# Altium PCB LimeSDR_1v2.PcbDoc (part 4 of 9)
Units mm, origin at the board's own origin, x right, y up, seen from the top; angles counter-clockwise.
Board outline 100 x 60 mm, 12 copper layers (Top, L2, L3, L4, L5, L6, L7, L8, L9, L10, L11, Bottom), stack 1.58 mm thick; 795 components, 584 nets, 3859 pads, 2074 vias.
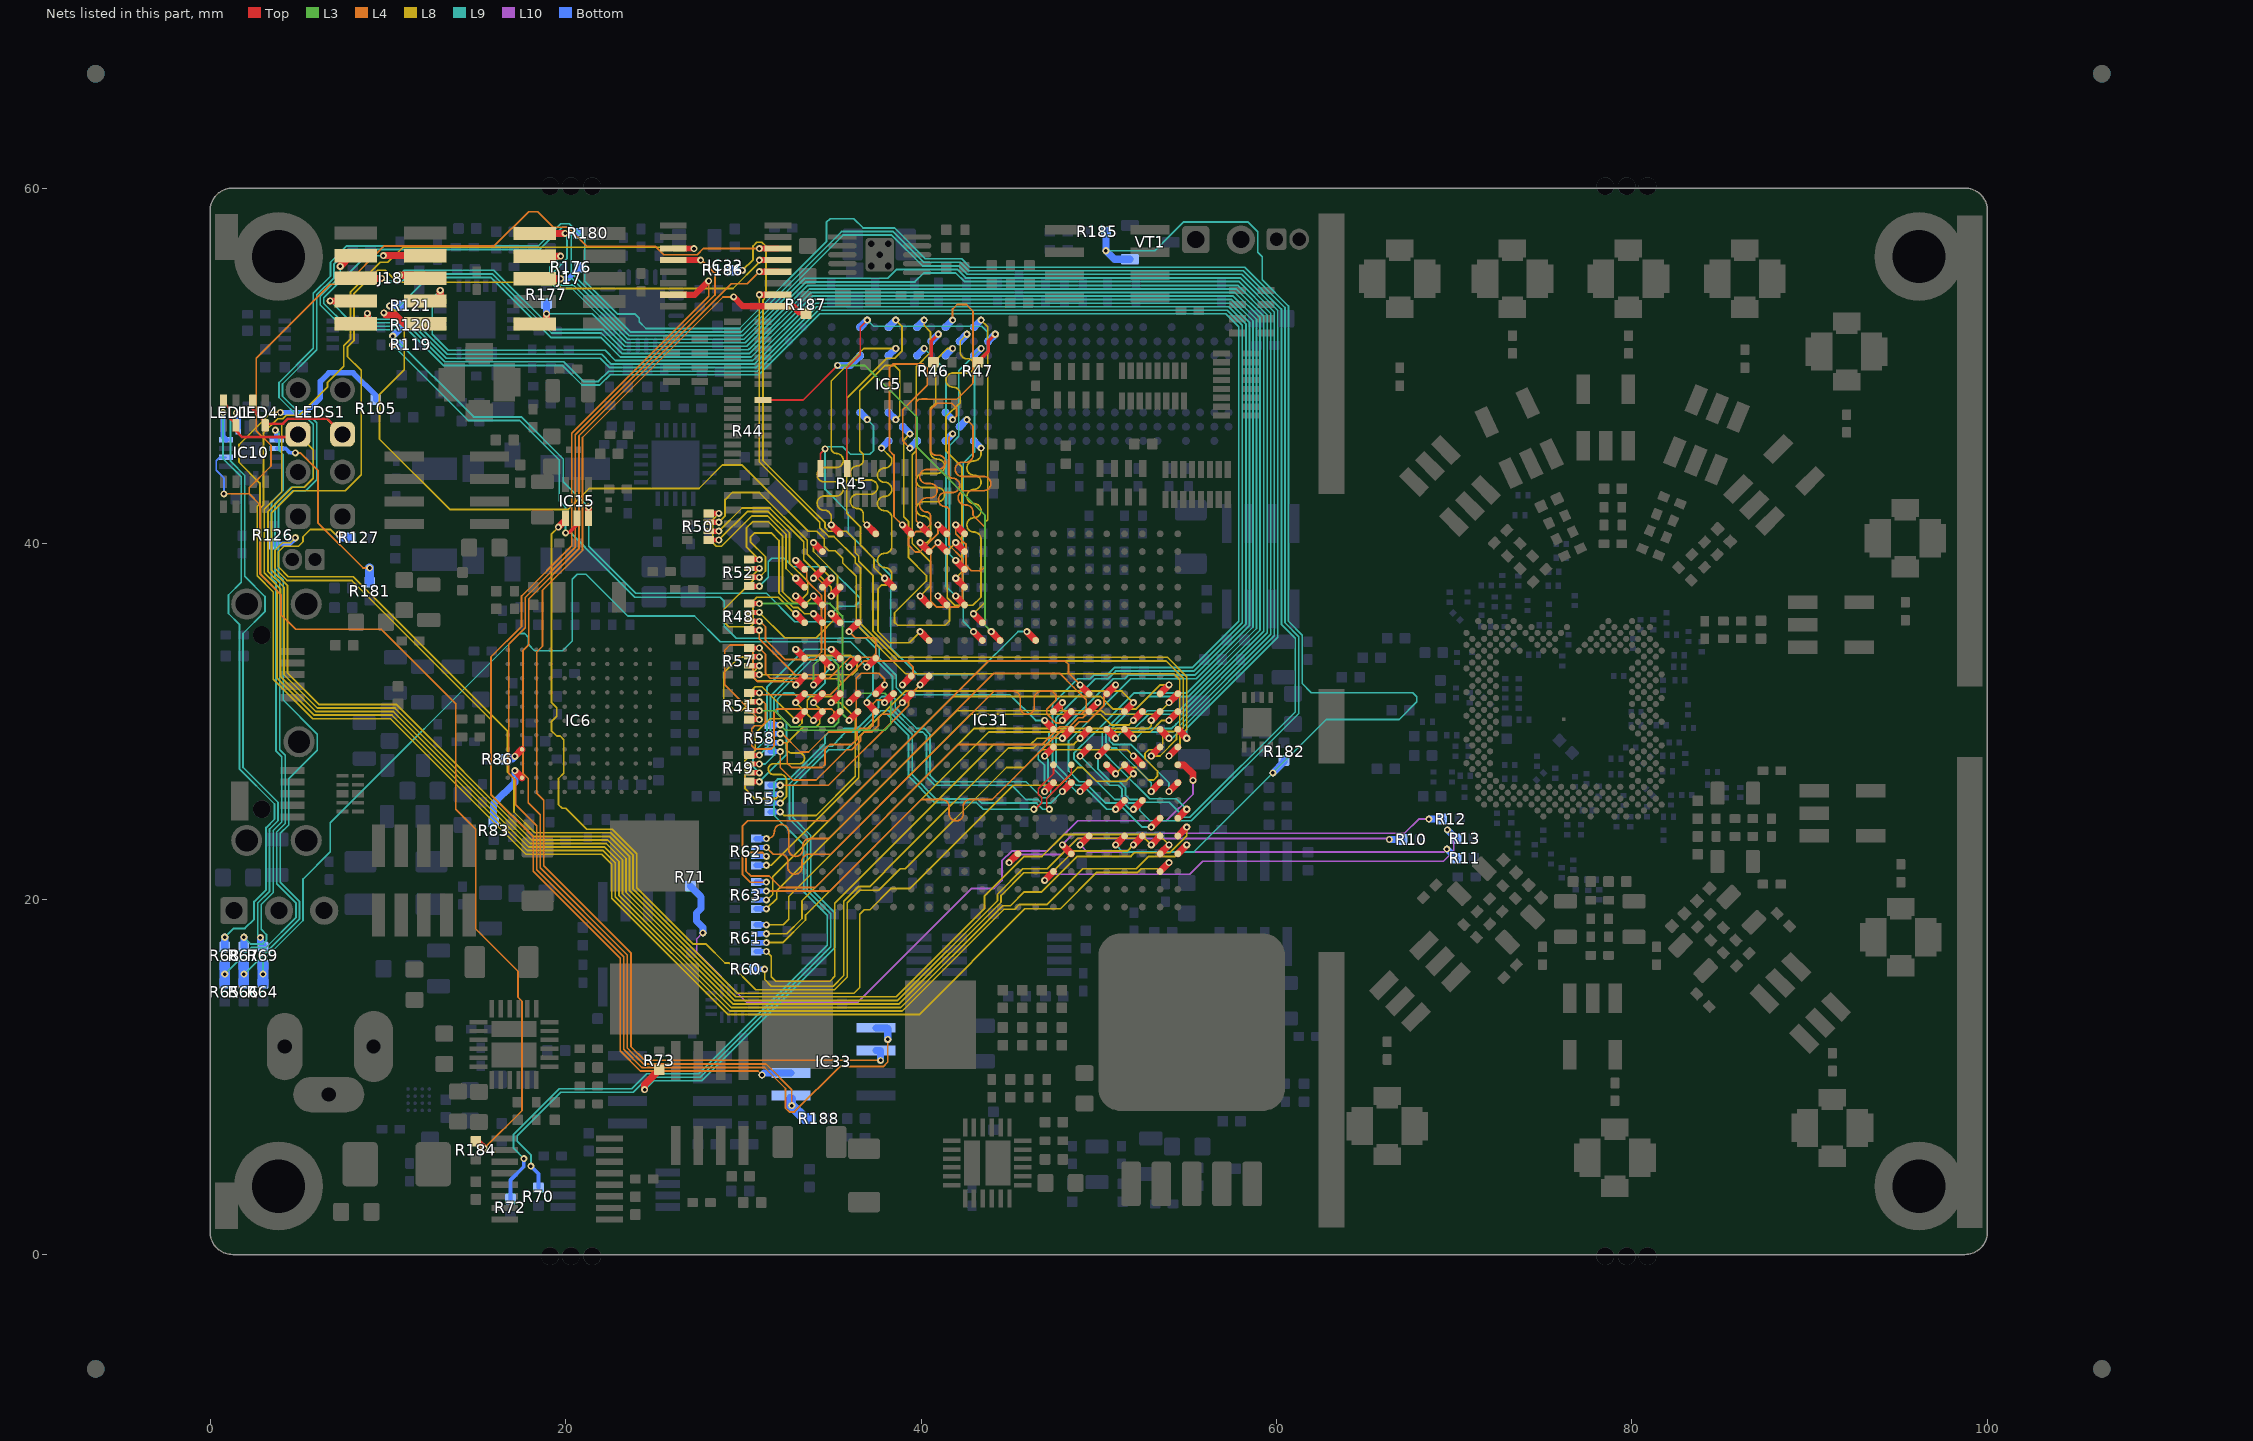
[diagram p14: the nets of this part, all layers, seen from the top]

## Via types
v1: diameter 0.4, hole 0.2, Top to Bottom, tented both sides, 1226 vias
v2: diameter 0.4, hole 0.2, Top to Bottom, tented top, 420 vias
v3: diameter 0.4, hole 0.2, Top to Bottom, 281 vias
v4: diameter 0.35, hole 0.2, Top to Bottom, tented top, 86 vias
v5: diameter 0.35, hole 0.2, Top to Bottom, tented both sides, 41 vias
v6: diameter 0.5, hole 0.2, Top to Bottom, tented both sides, 20 vias

## Nets (pads, with @x,y where several pads share a name; then routed paths per layer and width w, separated by ;. In a path a pad name is that pad's centre, name@x,y a point inside that pad or via, vN(x,y) a via of type N, cw(c..) or ccw(c..) an arc to the next point about the centre after c; other vN are vias at no path point) (continued)
DDR2_2_DQ1: IC5.G2 IC31.V14 | length 18.2
  Top w0.4: v2(40.95,37.05) IC31.V14@41.45,36.55
  L8 w0.1: v1(39.375,46.175) 39.025,45.825 39.025,41.5 39.3,41.225 39.3,39.205 40.3,38.205 40.3,37.895 38.5,36.095 38.5,35.575 38.675,35.4 41.35,35.4 41.6,35.65 41.6,36.4 v2(40.95,37.05)
  Bottom w0.4: IC5.G2@38.975,46.575 v1(39.375,46.175)
DDR2_2_DQ2: IC5.H7 IC31.AB20 | length 18
  Top w0.4: v2(34.95,41.05) IC31.AB20@35.45,40.55
  L8 w0.1: v2(34.95,41.05) 34.95,41.475 ccw(c34.55,41.475) 34.55,41.875 cw(c34.55,42.275) 34.15,42.275 cw(c34.55,42.275) 34.55,42.675 34.95,42.675 35.225,42.675 ccw(c35.225,43.075) 35.625,43.075 ccw(c35.225,43.075) 35.225,43.475 34.95,43.475 34.55,43.475 cw(c34.55,43.875) 34.15,43.875 cw(c34.55,43.875) 34.55,44.275 34.95,44.275 35.225,44.275 ccw(c35.225,44.675) 35.625,44.675 ccw(c35.225,44.675) 35.225,45.075 cw(c35.225,45.35) 34.95,45.35 34.95,45.6 34.95,49.15 36.775,50.975 v1(38.575,50.975)
  Bottom w0.4: IC5.H7@38.175,50.575 v1(38.575,50.975)
DDR2_2_DQ3: IC5.H3 IC31.AB18 | length 18
  Top w0.4: v2(36.95,41.05) IC31.AB18@37.45,40.55
  L8 w0.1: v2(36.95,41.05) 36.75,41.25 36.75,41.575 36.75,41.65 ccw(c36.425,41.65) 36.425,41.975 cw(c36.425,42.375) 36.025,42.375 cw(c36.425,42.375) 36.425,42.775 36.75,42.775 37.15,42.775 ccw(c37.15,43.175) 37.55,43.175 ccw(c37.15,43.175) 37.15,43.575 36.75,43.575 36.425,43.575 cw(c36.425,43.975) 36.025,43.975 cw(c36.425,43.975) 36.425,44.375 ccw(c36.425,44.7) 36.75,44.7 36.75,45.025 36.55,45.225 36.55,48.6 37.975,50.025 38.5,50.025 38.8,49.725 38.8,47.2 v1(38.575,46.975)
  Bottom w0.4: IC5.H3@38.175,47.375 v1(38.575,46.975)
DDR2_2_DQ4: IC5.H1 IC31.T15 | length 17.9
  Top w0.4: v2(39.95,35.05) IC31.T15@40.45,34.55
  L8 w0.1: v1(37.775,45.375) 38.35,44.8 38.35,44.65 cw(c37.95,44.65) 37.95,44.25 ccw(c37.95,43.85) 37.55,43.85 ccw(c37.95,43.85) 37.95,43.45 cw(c37.95,43.05) 38.35,43.05 cw(c37.95,43.05) 37.95,42.65 ccw(c37.95,42.25) 37.55,42.25 ccw(c37.95,42.25) 37.95,41.85 cw(c37.95,41.45) 38.35,41.45 38.35,41.05 38.35,40.25 38.35,39.85 cw(c37.95,39.85) 37.95,39.45 ccw(c37.95,39.05) 37.55,39.05 ccw(c37.95,39.05) 37.95,38.65 cw(c37.95,38.25) 38.35,38.25 38.35,37.955 38.07,37.675 37.8,37.675 37.575,37.45 37.575,35.074 38.224,34.425 39.325,34.425 v2(39.95,35.05)
  Bottom w0.4: v1(37.775,45.375) IC5.H1@38.175,45.775
DDR2_2_DQ5: IC5.H9 IC31.W17 | length 18.4
  Top w0.4: v2(37.95,38.05) IC31.W17@38.45,37.55
  L8 w0.1: v2(37.95,38.05) 37.35,38.65 37.35,39.145 36.6,39.895 36.6,40.925 35.825,41.7 35.825,48.175 38.075,50.425 38.52,50.425 38.925,50.83 38.925,52.225 v1(38.575,52.575)
  Bottom w0.4: IC5.H9@38.175,52.175 v1(38.575,52.575)
DDR2_2_DQ6: IC5.F1 IC31.AB16 | length 18
  Top w0.4: v2(38.95,41.05) IC31.AB16@39.45,40.55
  L4 w0.1: v2(38.95,41.05) 38.475,41.525 38.475,44.98 38.225,45.23 38.225,49.9 38.425,50.1 40.125,50.1 40.35,49.875 40.35,48.9 38.975,47.525 38.975,45.775 v1(39.375,45.375)
  Bottom w0.4: v1(39.375,45.375) IC5.F1@39.775,45.775
DDR2_2_DQ7: IC5.F9 IC31.V15 | length 18
  Top w0.4: v2(39.95,37.05) IC31.V15@40.45,36.55
  L8 w0.1: v2(39.95,37.05) 40.525,37.625 40.525,38.98 39.5,40.005 39.5,45.005 39.725,45.23 39.725,49.95 40.525,50.75 40.525,51.92 40.175,52.27 v1(40.175,52.575)
  Bottom w0.4: IC5.F9@39.775,52.175 v1(40.175,52.575)
DDR2_2_DQ8: IC5.C8 IC31.W13 | length 18.2
  Top w0.4: v2(41.95,38.05) IC31.W13@42.45,37.55
  L8 w0.1: v2(41.95,38.05) 42.3,38.4 42.3,44.325 41.4,45.225 41.4,47.125 42.2,47.925 42.2,48.4 ccw(c41.8,48.4) 41.8,48.8 cw(c41.8,49.2) 41.4,49.2 cw(c41.8,49.2) 41.8,49.6 42.2,49.6 42.6,49.6 ccw(c42.6,50) 43,50 ccw(c42.6,50) 42.6,50.4 cw(c42.6,50.8) 42.2,50.8 42.2,51.2 42.2,51.4 v1(42.575,51.775)
  Bottom w0.4: IC5.C8@42.175,51.375 v1(42.575,51.775)
DDR2_2_DQ9: IC5.C2 IC31.AB13 | length 18.1
  Top w0.4: v2(41.95,41.05) IC31.AB13@42.45,40.55
  L4 w0.1: v2(41.95,41.05) 41.95,40.545 42.525,39.97 42.525,38.775 42.825,38.475 43.375,38.475 43.6,38.7 43.6,40.925 42.925,41.6 42.925,41.775 ccw(c42.525,41.775) 42.525,42.175 42.489,42.175 cw(c42.489,42.575) 42.089,42.575 cw(c42.489,42.575) 42.489,42.975 42.925,42.975 43.525,42.975 ccw(c43.525,43.375) 43.925,43.375 ccw(c43.525,43.375) 43.525,43.775 42.925,43.775 42.325,43.775 cw(c42.325,44.175) 41.925,44.175 cw(c42.325,44.175) 42.325,44.575 42.525,44.575 ccw(c42.525,44.975) 42.925,44.975 42.925,45.375 42.925,46.175 42.925,46.225 42.925,46.625 v1(42.575,46.975)
  Bottom w0.4: IC5.C2@42.175,46.575 v1(42.575,46.975)
DDR2_2_DQ10: IC5.D7 IC31.AA15 | length 18
  Top w0.4: v2(39.95,40.05) IC31.AA15@40.45,39.55
  L8 w0.1: v2(39.95,40.05) 40.325,40.05 40.525,40.25 40.525,41.15 ccw(c40.125,41.15) 40.125,41.55 cw(c40.125,41.95) 39.725,41.95 cw(c40.125,41.95) 40.125,42.35 40.525,42.35 40.925,42.35 ccw(c40.925,42.75) 41.325,42.75 ccw(c40.925,42.75) 40.925,43.15 40.525,43.15 40.125,43.15 cw(c40.125,43.55) 39.725,43.55 cw(c40.125,43.55) 40.125,43.95 40.525,43.95 40.925,43.95 ccw(c40.925,44.35) 41.325,44.35 ccw(c40.925,44.35) 40.925,44.75 cw(c40.925,45.15) 40.525,45.15 40.525,45.325 40.525,47.605 40.825,47.905 40.825,50.325 41.475,50.975 v1(41.775,50.975)
  Bottom w0.4: IC5.D7@41.375,50.575 v1(41.775,50.975)
DDR2_2_DQ11: IC5.D3 IC31.AB14 | length 18.1
  Top w0.4: v2(40.95,41.05) IC31.AB14@41.45,40.55
  L4 w0.1: v2(40.95,41.05) 40.95,40.555 39.92,39.525 39.675,39.525 39.3,39.9 39.3,40.275 39.7,40.675 40.125,40.675 40.525,41.075 40.525,41.375 40.525,41.575 ccw(c40.325,41.575) 40.325,41.775 cw(c40.325,42.175) 39.925,42.175 cw(c40.325,42.175) 40.325,42.575 40.525,42.575 ccw(c40.525,42.948) 40.898,42.948 40.898,43.002 ccw(c40.525,43.002) 40.525,43.375 40.325,43.375 cw(c40.325,43.775) 39.925,43.775 cw(c40.325,43.775) 40.325,44.175 40.525,44.175 40.975,44.175 ccw(c40.975,44.575) 41.375,44.575 ccw(c40.975,44.575) 40.975,44.975 40.85,44.975 cw(c40.85,45.3) 40.525,45.3 40.525,47.525 40.9,47.9 41.725,47.9 42,47.625 42,47.2 v1(41.775,46.975)
  Bottom w0.4: IC5.D3@41.375,47.375 v1(41.775,46.975)
DDR2_2_DQ12: IC5.D1 IC31.AA14 | length 18.2
  Top w0.4: v2(40.95,40.05) IC31.AA14@41.45,39.55
  L4 w0.1: v2(40.95,40.05) 40.55,39.65 40.55,36.75 40.875,36.425 42.1,36.425 42.325,36.65 42.325,39.17 41.575,39.92 41.575,41.675 41.575,41.875 ccw(c41.375,41.875) 41.375,42.075 cw(c41.375,42.475) 40.975,42.475 cw(c41.375,42.475) 41.375,42.875 41.575,42.875 41.775,42.875 ccw(c41.775,43.275) 42.175,43.275 ccw(c41.775,43.275) 41.775,43.675 cw(c41.775,43.875) 41.575,43.875 41.575,44.4 41.575,45.975 v1(41.775,46.175)
  Bottom w0.4: IC5.D1@41.375,45.775 v1(41.775,46.175)
DDR2_2_DQ13: IC5.D9 IC31.AB15 | length 18
  Top w0.4: v2(39.95,41.05) IC31.AB15@40.45,40.55
  L4 w0.1: v2(39.95,41.05) 39.725,41.275 39.725,47.975 39.875,48.125 40.055,48.125 40.057,48.127 40.347,48.127 40.349,48.125 42.025,48.125 42.925,49.025 42.925,53.075 42.55,53.45 42.025,53.45 41.775,53.2 v1(41.775,52.575)
  Bottom w0.4: IC5.D9@41.375,52.175 v1(41.775,52.575)
DDR2_2_DQ14: IC5.B1 IC31.AA13 | length 18
  Top w0.4: v2(41.95,40.05) IC31.AA13@42.45,39.55
  L8 w0.1: v2(41.95,40.05) 41.475,39.575 41.475,36.95 41.9,36.525 42.92,36.525 43.375,36.98 43.375,40.25 ccw(c42.975,40.25) 42.975,40.65 cw(c42.975,41.05) 42.575,41.05 cw(c42.975,41.05) 42.975,41.45 ccw(c42.975,41.85) 43.375,41.85 ccw(c42.975,41.85) 42.975,42.25 cw(c42.975,42.65) 42.575,42.65 cw(c42.975,42.65) 42.975,43.05 ccw(c42.975,43.45) 43.375,43.45 ccw(c42.975,43.45) 42.975,43.85 cw(c42.975,44.25) 42.575,44.25 cw(c42.975,44.25) 42.975,44.65 ccw(c42.975,45.05) 43.375,45.05 43.375,45.25 v1(43.375,45.375)
  Bottom w0.4: IC5.B1@42.975,45.775 v1(43.375,45.375)
DDR2_2_DQ15: IC5.B9 IC31.U12 | length 18.3
  Top w0.4: v2(42.95,36.05) IC31.U12@43.45,35.55
  L8 w0.1: v2(42.95,36.05) 43.6,36.7 43.6,41.195 43.75,41.345 43.75,52.2 v1(43.375,52.575)
  Bottom w0.4: IC5.B9@42.975,52.175 v1(43.375,52.575)
DDR2_2_DQS0: IC5.F7 IC31.V13 | length 15.9
  Top w0.4: v2(41.95,37.05) IC31.V13@42.45,36.55
  L9 w0.1: v1(40.175,50.975) 41.4,49.75 41.4,37.6 v2(41.95,37.05)
  Bottom w0.4: IC5.F7@39.775,50.575 v1(40.175,50.975)
DDR2_2_DQS0N: IC5.E8 R46.2 | length 2.4
  Top w0.2: R46.2@40.7,50.2 40.575,50.325 40.575,51.375 v1(40.975,51.775)
  Bottom w0.4: IC5.E8@40.575,51.375 v1(40.975,51.775)
DDR2_2_DQS1: IC5.B7 IC31.Y13 | length 14.1
  Top w0.4: v2(41.95,39.05) IC31.Y13@42.45,38.55
  L9 w0.1: v2(41.95,39.05) 41.6,39.4 41.6,45.505 42.125,46.03 42.125,49.725 v1(43.375,50.975)
  Bottom w0.4: IC5.B7@42.975,50.575 v1(43.375,50.975)
DDR2_2_DQS1N: IC5.A8 R47.2 | length 2.6
  Top w0.2: R47.2@43.166,50.2 43.775,50.809 43.775,51.375 v1(44.175,51.775)
  Bottom w0.4: IC5.A8@43.775,51.375 v1(44.175,51.775)
DDR2_2_ODT: IC5.K9 IC31.T12 R45.5 | length 34.8
  Top w0.1: R45.5@35.85,44.225 35.825,44.25 35.825,49.875 36.575,50.625 36.575,52.175 v1(36.975,52.575)
  Top w0.4: v2(42.95,35.05) IC31.T12@43.45,34.55
  L9 w0.1: v1(36.975,52.575) 37.325,52.225 43.42,52.225 43.725,51.92 43.725,50.83 43,50.105 43,45.15 42.375,44.525 42.375,35.625 v2(42.95,35.05)
  Bottom w0.4: IC5.K9@36.575,52.175 v1(36.975,52.575)
DDR2_2_RASN: IC5.K7 IC31.T11 R44.8 | length 26.7
  Top w0.1: R44.8@31.1,48.075 33.359,48.075 v1(35.309,50.025)
  Top w0.4: v2(43.95,35.05) IC31.T11@44.45,34.55
  L3 w0.1: v1(35.309,50.025) 36.842,50.025 39.775,47.092 39.775,45.417 43.6,41.592 43.6,35.4 v2(43.95,35.05)
  Bottom w0.4: v1(35.309,50.025) 36.025,50.025 IC5.K7@36.575,50.575
DDR2_2_WEN: IC5.K3 IC31.T9 R45.8 | length 29.4
  Top w0.1: R45.8@34.35,44.225 34.35,45.075 v1(34.6,45.325)
  Top w0.4: v2(45.95,35.05) IC31.T9@46.45,34.55
  L9 w0.1: v1(36.975,46.975) 37.325,46.625 37.325,45.23 37.12,45.025 36.03,45.025 35.605,45.45 34.725,45.45 v1(34.6,45.325) 34.6,43.05 35.9,41.75 35.9,40.6 37.763,38.737 37.763,38.732 38.3,38.195 38.3,34.133 39.808,32.625 43.03,32.625 45.455,35.05 v2(45.95,35.05)
  Bottom w0.4: IC5.K3@36.575,47.375 v1(36.975,46.975)
EXP_AS_SS: IC10.2 IC32.14 R184.2 | length 94
  Top w0.35: v1(30.9,56.6) IC32.14@31.95,56.6
  Top w0.4: R184.2@14.95,6.375 15.025,6.375 v1(15.425,5.975)
  L4 w0.1: v1(0.775,42.8) 2.2,42.8 ; v1(15.425,5.975) 17.55,8.1 17.55,11.309 17.55,14.255 17.325,14.48 17.325,15.942 14.95,18.317 14.95,23.928 13.825,25.053 13.825,30.983 9.633,35.175 4.817,35.175 3.982,36.01 3.982,37.115 2.8,38.297 2.8,42.2 2.2,42.8 ; v1(30.9,56.6) 27.75,56.6 27.4,56.25 25.525,56.25 25.05,56.725 21.195,56.725 20.12,57.8 19.308,57.8 18.433,58.675 17.922,58.675 15.997,56.75 9.805,56.75 7.646,54.591 6.766,54.591 2.6,50.425 2.6,46.359 3.425,45.534 3.425,44.367 2.2,43.142 2.2,42.8
  Bottom w0.1: v1(0.775,42.8) 0.775,43.7 0.35,44.125 0.35,44.65 0.55,44.85 IC10.2@0.9,44.85
EXP_AS_SW: IC10.10 R181.2 | length 10.5
  L4 w0.1: v1(4.8,45.1) 5.077,45.1 6.075,44.102 6.075,41.155 8.605,38.625 v1(8.975,38.625)
  Bottom w0.2: IC10.10@3.75,45.35 4.247,45.35 4.497,45.1 v1(4.8,45.1)
  Bottom w0.5: R181.2@8.975,37.825 v1(8.975,38.625)
EXP_CONF_DONE: IC10.5 R69.1 | length 33.5
  L9 w0.1: v1@1.4,47.2 1.15,46.95 1.15,44.633 1.95,43.833 1.95,38.157 3.082,37.025 3.082,36.175 1.85,34.943 1.85,27.408 3.825,25.433 3.825,24.417 3.347,23.94 3.347,20.449 2.675,19.776 2.675,17.976 v1(2.825,17.826)
  Bottom w0.3: v1(1.475,47.35) 1.575,47.25 IC10.5@1.575,46.525
  Bottom w0.4: v1(2.825,17.826) 2.825,17.575 R69.1@2.975,17.425
EXP_NCONFIG: IC10.9 R67.1 | length 32.6
  L9 w0.1: v1(1.9,17.85) 2.274,17.476 2.97,17.476 3.175,17.681 3.175,18 2.875,18.3 2.875,19.694 3.547,20.366 3.547,23.857 4.025,24.334 4.025,28 3.712,28.313 3.712,37.8 3.45,38.062 3.45,42.341 4.1,42.991 4.1,45.017 3.875,45.242 3.875,46.175 v1(3.675,46.375)
  Bottom w0.3: v1@3.65,46.375 3.75,46.275 IC10.9@3.75,45.85
  Bottom w0.4: R67.1@1.9,17.3 v1(1.9,17.85)
EXP_NSTATUS: IC10.4 R68.1 | length 35
  L9 w0.1: v1(0.725,47.375) 0.725,44.775 1.75,43.75 1.75,37.825 1.032,37.107 1.032,36.068 1.65,35.45 1.65,27.325 3.625,25.35 3.625,24.5 3.147,24.022 3.147,20.532 2.475,19.859 2.475,18.865 1.96,18.35 1.325,18.35 v1(0.825,17.85)
  Bottom w0.3: v1(0.725,47.375) 0.725,46.025 IC10.4@0.9,45.85
  Bottom w0.4: R68.1@0.825,17.3 v1(0.825,17.85)
FAN_CTRL: IC31.E4 R182.2 R185.1 VT1.G | length 67.8
  Top w0.4: v1(50.95,23.05) IC31.E4@51.45,23.55
  L9 w0.1: v1(50.4,56.475) 53.15,56.475 54.775,58.1 58.389,58.1 58.945,57.544 58.945,56.4 59.2,56.145 59.2,54.835 60.675,53.36 60.675,35.625 61.45,34.85 61.45,32.125 61.964,31.611 67.667,31.611 67.891,31.386 67.891,31.096 66.895,30.1 62.8,30.1 v1(59.8,27.1) 55.35,22.65 51.35,22.65 v1(50.95,23.05)
  Bottom w0.4: R185.1@50.4,57.55 v1(50.4,56.475) 50.875,56 VT1.G@51.75,56 ; v1(59.8,27.1) 60.425,27.725 R182.2@60.425,27.8
FLASH_AS_MISO: IC32.7 IC33.2 | length 63.9
  Top w0.35: IC32.7@26.05,54 27.275,54 v1(28.05,54.775)
  L4 w0.1: v1(28.05,54.775) 28.05,53.917 20.35,46.217 20.35,39.875 17.525,37.05 17.525,35.343 15.8,33.618 15.8,25.871 18.175,23.496 18.175,21.566 23.075,16.666 23.075,11.456 24.206,10.325 30.825,10.325 v1(31.05,10.1)
  Bottom w0.4: v1(31.05,10.1) 31.165,10.215 IC33.2@32.675,10.215
FLASH_AS_MOSI: IC32.4 IC33.5 | length 74.5
  Top w0.35: IC32.4@26.05,55.95 v1(27.6,55.95)
  L4 w0.1: v1(27.6,55.95) 27.67,55.95 28.4,55.22 28.4,53.984 20.55,46.134 20.55,39.792 17.725,36.967 17.725,35.261 16.8,34.336 16.8,27.075 17.2,26.675 17.2,25.3 18.375,24.125 18.375,21.649 23.275,16.749 23.275,11.539 24.289,10.525 31.192,10.525 32.375,9.342 32.375,8.23 32.58,8.025 32.875,8.025 35.425,10.575 37.87,10.575 38.125,10.83 v1(38.125,12.1)
  Bottom w0.4: IC33.5@37.475,12.755 38.07,12.755 38.125,12.7 v1(38.125,12.1)
FLASH_AS_SCLK: IC32.9 IC33.6 R187.1 | length 68.9
  Top w0.35: v1(29.45,53.875) 29.975,53.35 IC32.9@31.95,53.35 32.8,53.35 33.15,53 R187.1@33.525,53
  L4 w0.1: v1(29.45,53.875) 28.856,53.875 20.95,45.969 20.95,39.626 18.7,37.376 18.7,34.225 18.375,33.9 18.375,25.95 18.775,25.55 18.775,21.88 23.675,16.98 23.675,11.705 24.455,10.925 v1(37.725,10.925)
  Bottom w0.4: IC33.6@37.475,11.485 37.725,11.485 v1(37.725,10.925)
FLASH_AS_SS: IC32.12 IC33.1 R188.2 | length 66
  Top w0.35: v1(30.9,55.3) IC32.12@31.95,55.3
  L4 w0.1: v1(30.9,55.3) 30.225,54.625 29.324,54.625 20.75,46.051 20.75,39.709 17.925,36.884 17.925,34.3 17.6,33.975 17.6,27.08 17.9,26.78 17.9,25.414 18.575,24.739 18.575,21.75 23.475,16.85 23.475,11.622 24.372,10.725 31.275,10.725 32.725,9.275 v1(32.725,8.375)
  Bottom w0.6: IC33.1@32.675,8.725 32.675,8.425 v1(32.725,8.375) 33.45,7.65 R188.2@33.75,7.65
FPGA_AS_ASDO: IC31.D1 IC32.3 | length 110.9
  Top w0.35: IC32.3@26.175,56.6 v1(27.225,56.6)
  Top w0.4: IC31.D1@54.45,22.55 v2(54.95,23.05)
  L8 w0.1: v1(27.225,56.6) 27.15,56.675 10.85,56.675 10,55.825 9.583,55.825 7.892,54.134 7.892,51.5 7.525,51.133 7.525,49.967 6.6,49.042 6.6,48.8 5.025,47.225 4.295,47.225 4.095,47.025 3.805,47.025 3,46.22 3,42.158 2.85,42.008 2.85,38.276 3.757,37.369 3.757,32.458 5.866,30.35 10.232,30.35 17.857,22.725 22.117,22.725 22.8,22.042 22.8,20.136 29.236,13.7 38.944,13.7 44.668,19.425 45.265,19.425 45.54,19.7 47.105,19.7 49.105,21.7 52.105,21.7 52.805,22.4 54.3,22.4 v2(54.95,23.05)
FPGA_AS_DATA0: IC31.K1 R186.2 | length 52.3
  Top w0.4: v2(53.95,28.05) IC31.K1@54.45,28.55
  L8 w0.1: v1(29.95,55.375) 30.55,55.975 30.55,56.745 30.755,56.95 31.045,56.95 31.275,56.72 31.275,53.875 31.1,53.7 31.1,44.675 34.175,41.6 34.178,41.6 34.6,41.178 34.6,40.895 34.795,40.7 35.795,40.7 36.3,40.195 36.3,39.5 36.5,39.3 36.5,38.995 37.3,38.195 37.3,35.066 38.766,33.6 53.866,33.6 54.95,32.516 54.95,29.545 54.575,29.17 54.575,28.675 v2(53.95,28.05)
  Bottom w0.4: R186.2@29.35,55.375 v1(29.95,55.375)
FPGA_AS_DCLK: IC31.K2 IC32.10 | length 47.6
  Top w0.35: v1(30.9,54) IC32.10@31.95,54
  Top w0.4: v2(52.95,28.05) IC31.K2@53.45,28.55
  L8 w0.1: v1(30.9,54) 30.9,44.592 34.092,41.4 34.095,41.4 34.3,41.195 34.3,40.9 34.8,40.4 35.095,40.4 36.3,39.195 36.3,38.912 36.6,38.612 36.6,35.483 38.683,33.4 53.783,33.4 54.75,32.433 54.75,29.628 54.375,29.253 54.375,28.98 53.445,28.05 v2(52.95,28.05)
FPGA_AS_NCSO: IC31.E2 IC32.13 | length 113.7
  Top w0.35: v1(30.9,55.95) IC32.13@31.95,55.95
  Top w0.4: v2(52.95,23.05) IC31.E2@53.45,23.55
  L8 w0.1: v1(30.9,55.95) 30.9,55.83 29.42,54.35 19.78,54.35 19.43,54.7 10.525,54.7 9.85,55.375 9.416,55.375 8.092,54.051 8.092,51.417 7.725,51.05 7.725,50.525 8.5,49.75 8.5,43.873 7.602,42.975 4.708,42.975 3.45,41.717 3.45,38.525 4.357,37.618 4.357,32.707 6.114,30.95 10.48,30.95 18.105,23.325 22.366,23.325 23.4,22.291 23.4,20.384 29.484,14.3 38.695,14.3 44.3,19.905 44.3,20.275 45.725,21.7 47.105,21.7 48.83,23.425 52.575,23.425 v2(52.95,23.05)
FPGA_CLK_OUT: IC31.C2 R105.1 | length 88.4
  Top w0.4: IC31.C2@53.45,21.55 v2(53.95,22.05)
  L8 w0.1: v1(3.95,47.375) 3.43,47.375 1.625,45.57 1.625,44.58 2.8,43.405 2.8,42.241 2.65,42.091 2.65,38.182 3.557,37.274 3.557,32.375 5.783,30.15 10.149,30.15 17.774,22.525 22.035,22.525 22.6,21.96 22.6,20.053 29.153,13.5 39.895,13.5 45.845,19.45 47.845,19.45 49.895,21.5 52.188,21.5 52.388,21.7 53.6,21.7 v2(53.95,22.05)
  Bottom w0.309: v1(3.95,47.375) 5.375,47.375 6.2,48.2 6.2,49.125 6.68,49.605 8.045,49.605 9.325,48.325 R105.1@9.325,48.1
FPGA_CONF_DONE: IC31.M18 R64.2 R69.2 | length 55.7
  Top w0.4: v2(36.95,31.05) IC31.M18@37.45,30.55
  L9 w0.1: v1(2.975,15.775) 2.975,16.541 5.225,18.791 5.225,21.125 6.763,22.663 6.763,24.298 17.405,34.941 17.695,34.941 17.9,34.736 17.9,34.325 18.25,33.975 19.829,33.975 20.375,34.521 20.375,37.995 20.655,38.275 21.15,38.275 23.5,35.925 27.255,35.925 28.705,34.475 36.03,34.475 37.3,33.205 37.3,31.625 36.95,31.275 v2(36.95,31.05)
  Bottom w0.6: R64.2@2.975,15.25 v1(2.975,15.775) R69.2@2.975,16.3
FPGA_GPIO0: IC31.H8 J18.3 | length 94.1
  Top w0.4: v1(7.325,55.6) J18.3@7.925,56.2 ; v2(46.95,26.05) IC31.H8@47.45,26.55
  L9 w0.1: v1(7.325,55.6) 7.325,55.033 6.2,53.908 6.2,53.422 7.597,52.025 11.119,52.025 13.119,50.025 19.822,50.025 20.922,48.925 21.928,48.925 22.503,49.5 30.864,49.5 34.289,52.925 57.15,52.925 57.875,52.2 57.875,35.636 55.264,33.025 50.864,33.025 50.439,32.6 49.722,32.6 49.522,32.4 48.805,32.4 47.4,30.995 47.4,29.561 47.2,29.361 47.2,28.875 46.6,28.275 46.6,27.875 46.95,27.525 v2(46.95,26.05)
FPGA_GPIO1: IC31.H6 J18.4 | length 97.6
  Top w0.4: v1(9.75,56.2) J18.4@12.1,56.2 ; v2(48.95,26.05) IC31.H6@49.45,26.55
  L9 w0.1: v1(9.75,56.2) 8.775,56.2 6.4,53.825 6.4,53.505 7.68,52.225 11.201,52.225 13.201,50.225 19.905,50.225 21.005,49.125 21.845,49.125 22.42,49.7 30.781,49.7 31.678,50.597 34.206,53.125 57.233,53.125 58.075,52.283 58.075,35.553 55.347,32.825 50.947,32.825 50.522,32.4 49.805,32.4 47.6,30.195 47.6,29.478 47.4,29.278 47.4,27.375 48.725,26.05 v2(48.95,26.05)
FPGA_GPIO2: IC31.H2 J18.5 | length 88.8
  Top w0.4: J18.5@8.2,54.925 v1(9.65,54.925) ; v2(52.95,26.05) IC31.H2@53.45,26.55
  L9 w0.1: v1(9.65,54.925) 9.825,54.75 10.8,54.75 11.225,55.175 15.883,55.175 19.208,51.85 22.011,51.85 23.161,50.7 30.367,50.7 33.792,54.125 57.647,54.125 59.075,52.697 59.075,35.139 54.536,30.6 52.722,30.6 52.522,30.4 51.522,30.4 50.4,29.278 50.4,28.822 50.722,28.5 50.995,28.5 52.95,26.545 v2(52.95,26.05)
FPGA_GPIO3: IC31.H1 J18.6 | length 88.7
  Top w0.4: v1(10.65,55.1) J18.6@12.1,55.1 ; v2(53.95,26.05) IC31.H1@54.45,26.55
  L9 w0.1: v1(10.65,55.1) 10.925,55.375 15.966,55.375 19.291,52.05 22.094,52.05 23.244,50.9 30.284,50.9 30.326,50.942 33.709,54.325 57.73,54.325 59.275,52.78 59.275,35.056 54.619,30.4 52.805,30.4 52.03,29.625 51.03,29.625 50.6,29.195 50.6,28.905 50.805,28.7 51.795,28.7 53.95,26.545 v2(53.95,26.05)
FPGA_GPIO4: IC31.G4 J18.7 | length 93.3
  Top w0.4: v1(6.75,53.65) J18.7@8.2,53.65 ; v2(50.95,25.05) IC31.G4@51.45,25.55
  L9 w0.1: v1(6.75,53.65) 7.975,52.425 11.284,52.425 13.284,50.425 21.95,50.425 22.475,49.9 30.699,49.9 34.124,53.325 57.316,53.325 58.275,52.366 58.275,35.471 55.404,32.6 51.65,32.6 51.45,32.4 50.805,32.4 47.6,29.195 47.6,27.525 48.72,26.405 49.1,26.405 50.45,25.055 50.45,25.05 v2(50.95,25.05)